# Altium PCB PCB1.PcbDoc (continued)
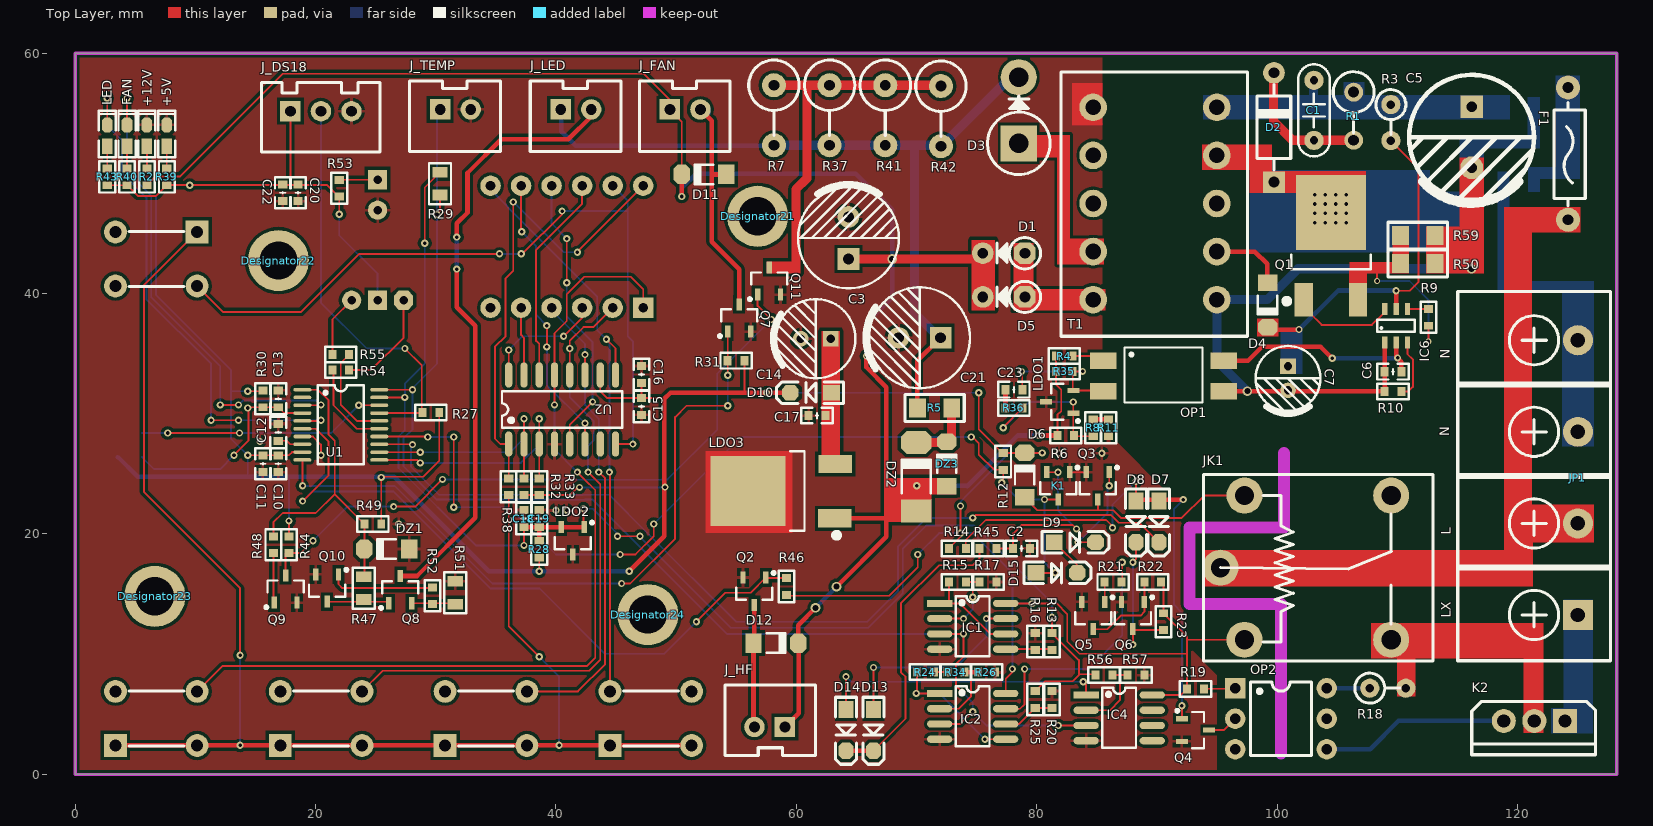
[diagram p0: Top Layer view]
## Nets (pads, with @x,y where several pads share a name; then routed paths per layer and width w, separated by ;. In a path a pad name is that pad's centre, name@x,y a point inside that pad or via, vN(x,y) a via of type N, cw(c..) or ccw(c..) an arc to the next point about the centre after c; other vN are vias at no path point)
2.5_REF: C18.1 C19.1 LDO2.K LDO2.R R13.2 R20.2 R28.1 R29.2 R56.2 U1.19 | length 114.2
  Top Layer w0.152: U1.19 v1(27.421,31.358) ; v1(29.083,44.196) 29.083,48.829 R29.2 ; v1(37.338,19.05) C18.1 ; LDO2.K LDO2.K@40.452,20.574 ; v1(42.291,22.098) 42.291,20.828 LDO2.R@42.418,20.701 ; v1(45.124,19.812) v1(46.99,19.812) ; R20.2 80.707,7.747 82.999,7.747 83.511,8.259 ; R13.2@81.28,11.744 R13.2 v1(81.28,13.081) ; R13.2@81.432,11.582 83.511,9.503 83.511,8.259 ; R56.2 84.826,8.327 83.58,8.327 83.511,8.259
  Top Layer w0.381: C18.1 C19.1 ; R28.1 C19.1 ; LDO2.R@42.343,20.574 40.452,20.574 C19.1
  Bottom Layer w0.152: v1(27.421,31.358) 27.421,28.631 26.899,28.108 26.899,25.486 33.334,19.05 v1(37.338,19.05) ; v1@27.432,31.496 27.432,32.512 29.083,34.163 v1(29.083,44.196) ; v1(42.291,22.098) 43.053,22.098 45.124,20.027 v1(45.124,19.812) ; v1(46.99,19.812) 46.99,19.752 54.55,12.192 65.98,12.192 68.859,15.072 68.859,18.755 70.806,20.701 74.803,20.701 81.28,14.224 v1(81.28,13.081)
220G: B1.DC- C5.2 C6.2 C7.2 IC6.1 OP1.E R10.1 R50.1 R59.1 T1.1 | length 48.1
  Top Layer w0.381: OP1.E R10.1@108.941,31.877 ; IC6.1@108.952,35.912 C6.2 108.952,32.233 109.017,32.233
  Bottom Layer w0.762: v3(97.536,31.877) 94.996,34.417 T1.1 99.187,39.497 101.752,42.062 v3(116.18,42.062)
A: SMG1.11 SW1.C SW1.D U2.8 | length 64
  Top Layer w0.152: SW1.D 12.292,38.481 18.796,38.481 23.622,43.307 v1(35.306,43.307) ; v1(37.114,43.307) 37.211,43.307 40.513,46.609 v1(40.513,46.863) ; U2.8 v1(46.401,27.478)
  Bottom Layer w0.152: v1(35.306,43.307) v1(37.114,43.307) ; v1(40.513,46.863) 45.974,46.863 ; SMG1.11 45.974,47.718 45.974,46.863 ; v1(46.401,27.478) 46.401,36.022 45.974,36.449 45.974,46.863
B: SMG1.7 SW2.C SW2.D U2.9 | length 49.5
  Top Layer w0.152: v1(44.196,36.195) 44.958,35.433 U2.9 ; v1(44.45,25.146) 44.494,25.102 SW2.D
  Bottom Layer w0.152: SMG1.7 34.559,48.624 37.415,45.768 37.419,45.768 43.434,39.753 43.434,36.957 v1(44.196,36.195) 44.45,35.941 v1(44.45,25.146)
C: SMG1.4 SW3.C SW3.D U2.11 | length 40.6
  Top Layer w0.152: SW3.C 41.825,6.9 44.087,9.162 44.087,24.618 43.561,25.144 v1(43.561,25.146) ; U2.11 v1(42.418,34.925)
  Bottom Layer w0.152: SMG1.4 39.639,38.593 42.418,35.814 v1(42.418,34.925) 42.418,30.734 43.561,29.591 v1(43.561,25.146)
D: SMG1.2 SW4.C SW4.D U2.12 | length 55.8
  Top Layer w0.152: SW4.C 25.572,8.611 42.774,8.611 43.681,9.518 43.681,24.137 43.302,24.516 43.3,24.516 42.672,25.144 v1(42.672,25.146) ; U2.12 v1(41.148,35.433) 41.148,36.068 42.291,37.211 43.116,37.211 SMG1.2
  Bottom Layer w0.152: v1(41.148,35.433) 41.148,31.369 43.147,29.37 43.147,27.805 42.672,27.33 v1(42.672,25.146)
D1: R38.1 SMG1.12 U2.1 | length 39.5
  Top Layer w0.152: R38.1 U2.1 35.387,27.478 34.925,27.94 34.925,35.56 35.814,36.449 35.814,41.275 36.449,41.91 v1(36.449,47.625) ; v1(41.783,43.434) 41.719,43.434 SMG1.12
  Bottom Layer w0.152: v1(36.449,47.625) 40.64,43.434 v1(41.783,43.434)
D2: SMG1.9 U2.5 | length 23.7
  Top Layer w0.152: v1(40.894,40.894) v1(40.894,44.577) ; U2.5 41.148,29.083 v1(43.053,30.988)
  Bottom Layer w0.152: SMG1.9 39.639,45.832 v1(40.894,44.577) ; v1(40.894,40.894) 40.894,38.1 43.053,35.941 v1(43.053,30.988)
D3: SMG1.8 U2.6 | length 23.7
  Top Layer w0.152: SMG1.8 37.099,45.197 v1(37.158,45.138) ; v1(39.243,35.56) v1(39.243,37.338) ; U2.6 v1(42.418,29.21)
  Bottom Layer w0.152: v1(37.158,45.138) 38.354,43.942 38.354,38.227 v1(39.243,37.338) ; v1(39.243,35.56) 39.243,32.385 v1(42.418,29.21)
DC12: C3.1 D1.K D5.K D11.K D12.K DZ2.A DZ3.A J_FAN.1 J_HF.1 LDO3.VIN R2.2 R4.2 R6.2 R35.2 | length 164.4
  Top Layer w0.152: R2.2 6.708,49.752 8.731,49.752 17.272,58.293 47.295,58.293 J_FAN.1@50.089,55.499 ; J_FAN.1@49.632,55.143 50.469,54.306 D11.K ; R4.2 R35.2 81.596,32.45 82.042,32.004 82.042,30.226 81.723,29.907 R6.2
  Top Layer w0.381: v1(50.47,48.082) D11.K@50.47,50.013 ; J_HF.1 60.198,5.08 D12.K@60.198,10.922 ; D12.K 60.148,12.396 v3(61.595,13.843) ; LDO3.VIN 67.474,21.297 ; v3(63.348,15.621) 67.488,19.761 67.488,32.207 65.837,33.858 v1(65.837,34.798) ; DZ2.A@70.028,22.174 v1(70.028,24.003) 72.542,24.003 DZ3.A@72.568,23.978 ; v1(80.162,28.194) R6.2 R6.2@81.839,28.194
  Top Layer w0.762: C3.1 67.996,42.878 D1.K@74.828,42.878
  Bottom Layer w0.381: v1(50.47,48.082) 50.47,48.793 51.664,49.987 64.948,49.987 67.97,46.965 67.97,39.7 65.811,37.541 v1@65.811,34.773 ; v3@61.57,13.818 v3(61.595,13.843) v3@63.348,15.596 ; v1(70.028,24.003) 74.193,24.003 74.219,23.978 78.435,28.194 v1(80.162,28.194)
  other v3: 67.97,42.875
DC39: C21.1 D3.K J_LED.1 R5.1 R7.2 R37.2 R41.2 R42.2 | length 64.9
  Top Layer w0.381: R5.1@70.076,30.759 70.076,34.414 C21.1@71.882,36.22
  Bottom Layer w0.381: J_LED.1@40.437,55.27 40.437,53.492 41.641,52.288 R7.2@57.607,52.288
  Bottom Layer w0.762: R7.2 R37.2 R41.2 69.825,52.339 ; C21.1@71.984,36.246 69.825,38.405 69.825,52.339 ; D3.K@77.949,58.141 72.147,52.339 69.825,52.339
DC39_LOAD: Q11.C R7.1 R37.1 R41.1 R42.1 | length 29.3
  Top Layer w0.762: R7.1 60.884,57.339 ; 59.969,42.266 59.969,48.666 60.884,49.581 60.884,57.339 ; R42.1@72.02,57.339 72.009,57.339 67.386,57.339 62.763,57.339 60.884,57.339
DC_IN: C10.1 C11.1 C15.1 C16.1 C20.1 C22.1 D6.K D10.K DATA.1 IC1.8 IC2.8 IC4.8 J_DS18.1 JK1.2 LED2.A R12.2 R14.2 R19.1 R22.2 R23.2 R27.2 R28.2 R30.2 R31.2 R32.2 R33.2 R39.2 R40.2 R43.2 R44.2 R46.2 R49.2 R53.2 U1.9 U2.10 | length 298
  Top Layer w0.152: R43.2 R40.2 5.198,48.133 6.74,48.133 R39.2 7.629,49.022 v1(9.525,49.022) 20.955,49.022 R53.2@21.971,48.006 ; v1(14.351,26.543) C11.1 C10.1 17.78,26.543 18.045,26.808 U1.9 ; v1(14.351,31.877) 15.556,31.877 R30.2 ; R44.2 v1(17.78,21.082) ; 17.907,49.022 J_DS18.1 ; v1(21.971,46.609) R53.2@21.971,48.006 ; R53.2 R53.2@21.971,48.006 ; R49.2 v1(25.465,24.703) ; v1@25.527,24.765 28.956,24.765 30.291,26.1 R27.2 ; R32.2 R33.2@38.49,23.232 ; v1(38.608,16.891) R28.2 ; R33.2 41.139,23.232 41.808,23.901 41.834,23.876 v1(41.961,23.876) ; U2.10 43.688,31.877 44.258,31.307 C15.1 ; C16.1 C15.1 ; 48.957,31.307 C15.1 ; 55.691,31.75 R31.2 ; R46.2 59.244,14.859 67.717,14.859 70.104,17.246 v1(70.104,18.288) ; R14.2 73.66,19.75 v1(73.66,20.066) ; v2(73.66,22.327) 73.66,20.244 v1@73.762,20.142 ; v1(75.184,31.75) 75.184,28.702 77.151,26.735 R12.2 D6.K@78.982,26.735 ; IC2.8 77.426,7.957 77.978,8.509 v1(77.978,8.763) ; IC1.8 v1(79.629,14.224) 81.661,14.224 82.55,13.335 82.55,11.049 83.566,10.033 92.518,10.033 ; D6.K v2(80.466,26.747) ; IC4.8 92.01,6.604 R19.1 92.518,10.033 ; R22.2@90.551,15.813 R23.2 92.518,11.433 92.518,10.033 ; 92.534,11.192 JK1.2
  Top Layer w0.381: v1(46.101,16.891) 49.022,19.812 49.022,31.242 49.53,31.75 55.691,31.75 v1(57.531,31.75) D10.K
  Bottom Layer w0.152: v1(9.525,49.022) 7.62,49.022 6.731,48.133 6.731,39.878 12.954,33.655 12.954,31.877 ; 14.351,24.765 v1(14.351,26.543) 12.954,27.94 12.954,31.877 ; v1(14.351,31.877) 12.954,31.877 ; v1(17.78,21.082) 17.78,24.765 17.78,24.79 ; v1(21.971,46.609) 21.971,44.831 25.161,41.641 LED2.A ; v1(41.961,23.876) 49.047,23.876 v1(49.073,23.901) ; v1@57.785,31.75 v1(75.184,31.75) ; v1(70.104,18.288) 71.882,20.066 v1(73.66,20.066) 74.676,20.066 77.978,16.764 77.978,14.224 ; v2(73.66,22.327) 73.66,22.682 74.434,23.457 77.725,26.747 v2(80.466,26.747) ; v1(77.978,8.763) 77.978,14.224 ; v1(79.629,14.224) 77.978,14.224
  Bottom Layer w0.381: DATA.1 5.189,24.765 14.351,24.765 17.78,24.765 26.543,24.765 34.417,16.891 v1(38.608,16.891) v1(46.101,16.891)
DP: SMG1.3 U2.16 | length 10.1
  Top Layer w0.152: U2.16 v1(36.068,35.306) ; v1(40.64,36.449) 42.179,37.988 SMG1.3
  Bottom Layer w0.152: v1(36.068,35.306) 37.211,36.449 v1(40.64,36.449)
DS18: J_DS18.2 R27.1 U1.17 | length 34.1
  Top Layer w0.152: U1.17 R27.1@28.829,30.058 ; v1(27.432,35.433) 28.829,34.036 R27.1@28.829,30.058 ; R27.1@28.915,30.058 R27.1@28.829,30.058
  Bottom Layer w0.152: J_DS18.2 20.447,39.243 24.257,35.433 v1(27.432,35.433)
E: SMG1.1 SW5.C SW5.D U2.13 | length 75.3
  Top Layer w0.152: SW5.C 12.262,9.017 42.605,9.017 43.274,9.686 43.274,23.655 42.413,24.516 42.411,24.516 41.783,25.144 v1(41.783,25.146) ; v1(39.878,30.734) U2.13 39.878,36.703 40.894,37.719 40.894,39.954 42.342,41.402 46.228,41.402 47.259,40.371 SMG1.1
  Bottom Layer w0.152: v1(39.878,30.734) 39.878,27.051 v1(41.783,25.146)
F: SMG1.10 U2.14 | length 17.4
  Top Layer w0.152: U2.14 38.608,35.814 38.354,36.068 38.354,43.637 42.179,47.462 SMG1.10
FAN_D: FAN.K U1.3 | length 41.2
  Top Layer w0.152: FAN.K v1(4.311,56.254) ; v1(12.065,30.734) v1(13.589,30.734) ; U1.3 20.421,30.708 v1(20.447,30.734)
  Bottom Layer w0.152: v1(4.311,56.254) 4.311,50.17 6.325,48.157 6.325,39.71 12.065,33.969 v1(12.065,30.734) ; v1(13.589,30.734) 13.97,31.115 20.066,31.115 v1(20.447,30.734)
FAN_EN: Q7.G R31.1 U1.10 | length 59.2
  Top Layer w0.152: v1(18.923,24.003) U1.10@18.923,26.162 ; v1(45.466,15.875) 46.169,15.875 49.911,19.617 49.911,29.718 50.865,30.672 v1(54.291,30.672) ; v1(54.291,33.209) R31.1 Q7.G@54.291,36.895
  Bottom Layer w0.152: v1(18.923,24.003) 26.569,24.003 34.697,15.875 v1(45.466,15.875) ; v1(54.291,30.672) v1(54.291,33.209)
G: SMG1.5 U2.15 | length 5.7
  Top Layer w0.152: SMG1.5 37.099,36.561 37.338,36.322 U2.15
GND: +5V.K +12V.K C2.2 C3.2 C10.2 C11.2 C12.2 C13.2 C14.2 C15.2 C16.2 C17.2 C18.2 C19.2 C20.2 C21.2 C22.2 DATA.4 DATA.5 DZ1.A IC1.4 IC2.4 IC4.4 J_DS18.3 J_TEMP.2 K1.K LDO1.A LDO2.A LDO3.GND LED1.K Q2.S Q3.E Q4.E Q5.E Q6.E Q7.S Q9.E Q10.E Q11.E R11.1 R16.1 R17.1 R25.1 R26.1 R51.1 R57.1 T1.6 U1.7 U2.4 | length 4.1
  Top Layer w0.152: U1.7 19.771,28.108 20.447,27.432 v1(20.447,26.543) ; K1.K Q3.E
  Top Layer w0.381: LDO1.A@80.772,30.979 LDO1.A
  other v1: 26.924,20.828 40.005,21.971 40.894,21.971 81.874,26.711 85.43,26.711 15.367,27.686
HF_EN: Q2.G R46.1 U1.6 | length 57.2
  Top Layer w0.152: U1.6 20.01,28.758 21.082,27.686 21.082,24.892 v1(18.923,22.733) ; v1(51.689,12.7) 54.102,15.113 56.204,15.113 Q2.G ; Q2.G@57.596,16.321 R46.1
  Bottom Layer w0.152: v1(18.923,22.733) 19.728,23.538 26.459,23.538 34.528,15.469 38.633,15.469 44.069,10.033 49.022,10.033 v1(51.689,12.7)
L: F1.1 JK1.3 JP1.2
LED_D: LED.K U1.5 | length 43.3
  Top Layer w0.152: LED.K v1(2.66,56.254) ; v1(11.303,29.464) v1(13.589,29.464) ; U1.5 20.391,29.408 v1(20.447,29.464)
  Bottom Layer w0.152: v1(2.66,56.254) 2.66,53.982 3.905,52.737 3.905,50.002 5.918,47.989 5.918,39.541 11.303,34.157 v1(11.303,29.464) ; v1(13.589,29.464) v1(20.447,29.464)
LED_EN: DZ1.K R47.1 R48.1 R49.1 U1.1 | length 25.6
  Top Layer w0.152: R48.1 16.485,20.955 17.272,21.742 20.015,21.742 21.59,23.317 21.59,27.753 21.082,28.261 21.082,31.115 20.193,32.004 18.902,32.004 U1.1 ; 21.59,23.303 R49.1 24.065,18.545 24.068,18.542 R47.1@24.068,16.509
LX: JP1.1 K2.T1
M_SD: D15.A K1.A R12.1 U1.14 | length 80.1
  Top Layer w0.152: U1.14 v1@29.296,28.108 ; v1(31.496,22.225) v1(31.496,28.067) ; v1(45.339,18.288) 46.609,18.288 48.133,19.812 v1(48.133,20.828) ; v1(74.549,28.067) 74.676,28.067 75.184,27.559 75.184,26.607 76.456,25.335 R12.1 77.216,24.384 v1(77.089,24.257) ; D15.A v1(81.534,16.764) ; v1(80.654,22.869) K1.A
  Bottom Layer w0.152: v1(29.337,28.067) v1(31.496,28.067) ; v1(31.496,22.225) 36.068,22.225 40.005,18.288 v1(45.339,18.288) ; v1(48.133,20.828) 55.372,28.067 v1(74.549,28.067) ; v1(77.089,24.257) 78.477,22.869 v1(80.654,22.869) ; v1@80.645,22.86 80.645,17.653 v1(81.534,16.764)
MAX1: D13.A IC1.7 | length 17.1
  Top Layer w0.152: D13.A v1(66.421,8.89) ; v1(75.819,12.954) IC1.7
  Bottom Layer w0.152: v1(66.421,8.89) 73.279,8.89 75.819,11.43 v1(75.819,12.954)
MAX2: D14.A IC4.1 | length 23.8
  Top Layer w0.152: D14.A v1(64.135,8.128) ; v1(83.871,7.696) 84.118,7.449 IC4.1
  Bottom Layer w0.152: v1(64.135,8.128) 64.567,7.696 v1(83.871,7.696)
MAX_TEMP_SW: C2.1 K1.G R45.2 | length 14.7
  Top Layer w0.152: R45.2 C2.1 78.04,20.026 78.765,20.752 82.982,20.752 v1(83.312,20.422) ; K1.G v1(81.779,25.137)
  Bottom Layer w0.152: v1@81.788,25.171 81.788,21.946 v1(83.312,20.422)
N: B1.AC2 JP1.3 JP1.4
Net+5V_A: +5V.A R39.1 | length 1.8
  Top Layer w0.152: R39.1 +5V.A@7.62,52.247
Net+12V_A: +12V.A R2.1 | length 1.8
  Top Layer w0.152: R2.1 +12V.A@5.969,52.247
NetB1_AC1: B1.AC1 F1.2
NetB1_DC+: B1.DC+ C1.1 C5.1 R1.1 R3.1 T1.5 | length 2.3
  Bottom Layer w0.762: 103.048,55.474 C1.1@103.048,57.796
NetC1_2: C1.2 D2.K R1.2 | length 11.4
  Top Layer w0.762: D2.K@99.72,58.445 99.72,54.331 101.289,52.762 R1.2
NetC6_1: C6.1 IC6.2 OP1.C | length 17.7
  Top Layer w0.381: OP1.C 97.587,34.417 98.73,35.56 103.632,35.56 v1@104.597,34.595 ; IC6.2 109.906,34.773 v1(110.033,34.646) 110.352,34.327 C6.1@110.352,33.757
  Bottom Layer w0.381: v1(104.597,34.62) v1@110.033,34.62
NetC7_1: C7.1 D4.K IC6.5 R3.2 | length 28.3
  Top Layer w0.152: R3.2 111.76,50.443 111.76,40.945 111.049,40.234 v1(109.906,40.234) v1@109.88,40.234
  Top Layer w0.381: D4.K@99.797,37.008 v1(101.829,37.008) ; IC6.5@109.906,38.837 v1(109.906,40.234)
  Bottom Layer w0.381: v1@101.625,36.855 v1(101.829,37.008) ; v1@101.651,36.83 105.08,40.259 v1@109.906,40.259
NetC14_1: C14.1 C17.1 D10.A LDO3.VOUT
NetC23_1: C23.1 LDO1.K OP1.K R35.1 | length 11.3
  Top Layer w0.152: C23.1 v1@78.805,33.463 ; LDO1.K@82.996,31.991 R35.1 v1(83.82,33.528) ; LDO1.K OP1.K@85.49,31.938
  Bottom Layer w0.152: v1(78.74,33.528) v1(83.82,33.528)
NetC23_2: C23.2 R36.1 | length 1.6
  Top Layer w0.381: R36.1 C23.2@77.405,32.066
NetD1_A: D1.A D5.A T1.10
NetD2_A: D2.A Q1.D T1.4
  other v2: 103.149,45.898 104.021,45.898 104.894,45.898 105.766,45.898 103.149,46.677 104.021,46.677 104.894,46.677 105.766,46.677 103.149,47.456 104.021,47.456 104.894,47.456 105.766,47.456 103.149,48.235 104.021,48.235 104.894,48.235 105.766,48.235
NetD3_A: D3.A T1.9
NetD4_A: D4.A T1.2 | length 6.2
  Top Layer w0.381: T1.2 98.159,43.497 99.187,42.469 D4.A@99.187,40.843
NetD6_A: D6.A JK1.1 Q3.C | length 20.7
  Top Layer w0.152: D6.A 80.06,21.971 86.36,21.971 86.995,21.336 92.075,21.336 93.931,23.192 JK1.1 ; 85.09,21.971 Q3.C
NetD7_A: D7.A D8.A Q4.B R14.1 | length 43
  Top Layer w0.152: R14.1 74.106,19.496 75.768,21.158 85.776,21.158 86.309,20.625 v1(86.309,20.523) ; D8.A v1(88.265,24.384) ; Q4.B v1(92.084,5.706)
  Top Layer w0.381: D8.A 88.384,22.86 v1(92.202,22.86)
  Bottom Layer w0.152: v1(86.309,20.523) 86.309,22.428 v1(88.265,24.384) ; v1(92.084,5.706) 92.084,13.453 91.44,14.097 91.44,22.098 v1(92.202,22.86)
NetD9_A: D9.A D15.K | length 3.1
  Top Layer w0.152: D9.A D15.K@83.693,17.081
NetD9_K: D9.K Q3.B | length 8.4
  Top Layer w0.152: v1(83.439,19.304) D9.K ; v1(86.04,24.018) Q3.B
  Bottom Layer w0.152: v1(83.439,19.304) 85.903,21.768 85.903,23.881 v1(86.04,24.018)
NetD11_A: D11.A J_FAN.2 Q7.D | length 19.1
  Top Layer w0.381: J_FAN.2 52.959,54.381 52.959,49.911 ; D11.A 52.959,49.911 ; Q7.D@55.245,39.116 55.245,42.037 52.959,44.323 52.959,49.911
  Bottom Layer w0.381: J_FAN.2@52.705,54.991 J_FAN.2@52.705,55.372
NetD12_A: D12.A J_HF.2 Q2.D | length 10.5
  Top Layer w0.381: J_HF.2@56.438,3.887 D12.A ; D12.A@56.515,10.668 Q2.D
NetD13_K: D13.K D14.K R45.1 | length 24.7
  Top Layer w0.152: D13.K 69.088,4.635 69.088,8.128 68.707,8.509 68.707,14.224 71.882,17.399 74.676,17.399 75.246,17.969 R45.1
  Top Layer w0.381: D14.K D13.K
NetDZ2_K: DZ2.K DZ3.K R5.2 | length 5.3
  Top Layer w0.762: DZ2.K DZ3.K@72.522,27.615 ; DZ3.K@72.926,27.687 R5.2
NetFAN_A: FAN.A R40.1 | length 1.8
  Top Layer w0.152: R40.1 FAN.A@4.318,52.247
NetIC1_1: IC1.1 IC1.6 R15.2 | length 7.5
  Top Layer w0.152: R15.2 72.706,14.289 72.771,14.224 73.609,14.224 76.149,11.684 IC1.6
NetIC1_2: IC1.2 R15.1 R17.2 | length 6.5
  Top Layer w0.152: IC1.2 v1(73.914,12.954) ; R15.1 74.676,16.002 ; v1(74.676,14.732) 74.676,16.002 ; R17.2 74.676,16.002
  Bottom Layer w0.152: v1(73.914,12.954) 74.676,13.716 v1(74.676,14.732)
NetIC1_5: IC1.5 R13.1 R16.2 | length 3.8
  Top Layer w0.152: IC1.5 80.518,10.414 R13.1@81.215,10.414
NetIC2_1: IC2.1 IC2.5 R24.2 | length 12.8
  Top Layer w0.152: v1@70.039,6.666 v1@70.039,6.731 ; R24.2 v1@70.039,6.731 ; IC2.1 v1@70.039,6.731 ; v1(75.692,2.921) IC2.5
  Bottom Layer w0.152: v1(69.977,6.731) 71.882,6.731 v1(75.692,2.921)
NetIC2_2: IC2.2 R26.2 R34.1 | length 6.2
  Top Layer w0.152: IC2.2 73.533,5.461 74.549,6.477 74.549,8.509
  Top Layer w0.381: R34.1 74.549,8.509 R26.2
NetIC2_6: IC2.6 R20.1 R25.2 | length 4.4
  Top Layer w0.152: IC2.6 78.551,4.191 R20.1 R25.2
NetIC4_2: IC4.2 R56.1 R57.2 | length 6.5
  Top Layer w0.152: IC4.2 86.106,5.334 86.931,6.159 86.931,8.255 ; R56.1 86.931,8.255 ; R57.2 86.931,8.255
NetIC6_3: IC6.3 R10.2 | length 5
  Top Layer w0.152: R10.2@110.287,31.852 R10.2 110.922,31.852 111.303,32.233 111.303,34.519 110.856,34.966 IC6.3
NetIC6_4: IC6.4 R9.1 | length 1.7
  Top Layer w0.152: IC6.4@110.882,38.724 R9.1
NetIC6_6: IC6.6 Q1.G | length 7.3
  Top Layer w0.152: Q1.G@102.743,38.354 103.708,37.389 107.899,37.389 108.956,38.445 IC6.6
NetJ_LED_2: J_LED.2 Q8.C | length 50.8
  Top Layer w0.381: Q8.C 28.439,16.501 33.274,21.336 33.274,37.338 31.75,38.862 v1(31.75,42.037) ; v1(31.75,44.704) 31.75,45.847 32.639,46.736 32.639,50.038 35.433,52.832 41.021,52.832 42.926,54.737 J_LED.2@42.926,55.372
  Bottom Layer w0.381: v1(31.75,42.037) v1(31.75,44.704)
NetJK1_5: JK1.5 K2.T2 R18.2
NetK2_G: K2.G OP2.E | length 15.7
  Bottom Layer w0.381: OP2.E 107.752,2.088 110.109,4.445 K2.G
NetLDO1_R: LDO1.R R6.1 R8.2 R36.2 | length 13.5
  Top Layer w0.152: v1(77.216,28.829) 77.216,28.891 R36.2 ; v1(83.049,30.979) LDO1.R 83.049,28.247 83.167,28.129 R8.2
  Bottom Layer w0.152: v1(77.216,28.829) 79.366,30.979 v1(83.049,30.979)
NetLED1_A: LED1.A R53.1 | length 3.2
  Top Layer w0.152: R53.1 LED1.A@25.147,49.468
NetLED2_G: LED2.G R55.2 | length 5.2
  Top Layer w0.152: R55.2 21.398,37.845 LED2.G
NetLED2_R: LED2.R R54.2 | length 8.7
  Top Layer w0.152: R54.2 24.638,33.655 27.32,36.337 LED2.R
NetLED_A: LED.A R43.1 | length 1.8
  Top Layer w0.152: R43.1@2.66,50.42 LED.A
NetOP1_A: OP1.A R4.1 | length 2.2
  Top Layer w0.152: R4.1 OP1.A@85.17,34.798
NetOP2_A: OP2.A R19.2 | length 2.5
  Top Layer w0.152: R19.2 OP2.A@96.464,7.112
NetOP2_C: OP2.C R18.1 | length 3.6
  Bottom Layer w0.381: OP2.C R18.1
NetOP2_K: OP2.K Q4.C | length 2.6
  Top Layer w0.152: Q4.C 95.575,3.683 OP2.K
NetQ1_S: Q1.S R9.2 R50.2 R59.2 | length 10.8
  Top Layer w0.152: v4(108.331,41.046) 108.331,42.189 ; v4(112.598,36.017) R9.2
  Bottom Layer w0.152: v4(108.331,41.046) 111.023,41.046 112.598,39.472 v4(112.598,36.017)
NetQ5_B: Q5.B R21.1 | length 1.7
  Top Layer w0.152: Q5.B@85.66,14.343 R21.1
NetQ5_C: Q5.C Q6.B R22.1 | length 7.3
  Top Layer w0.152: Q5.C 85.861,12.074 86.995,13.208 88.646,13.208 88.961,13.523 Q6.B R22.1
NetQ8_B: Q8.B Q10.C R47.2 | length 5.2
  Top Layer w0.152: Q10.C 25.974,14.36 Q8.B
NetQ8_E: Q8.E R51.2 R52.2 | length 3.7
  Top Layer w0.152: Q8.E 31.553,14.233 R51.2
NetQ9_B: Q9.B R48.2 | length 4.2
  Top Layer w0.152: Q9.B@16.485,14.249 R48.2
NetQ9_C: Q9.C Q11.B R44.1 | length 55.2
  Top Layer w0.152: Q9.C R44.1@17.501,18.339 ; R44.1@17.882,18.415 18.771,18.415 v1(19.787,19.431) ; v1(26.492,22.276) 28.296,22.276 v1(30.556,24.536) ; Q11.B 56.784,38.974 v1(57.912,37.846)
  Bottom Layer w0.152: v1(19.787,19.431) 22.631,22.276 v1(26.492,22.276) ; v1(30.556,24.536) 41.501,24.536 41.522,24.516 48.796,24.516 48.812,24.532 49.271,24.532 53.416,28.677 53.416,33.35 v1(57.912,37.846)
NetQ10_B: Q10.B R52.1 | length 8.8
  Top Layer w0.152: Q10.B 21.905,15.814 22.225,15.494 29.653,15.494 R52.1
NetR8_1: R8.1 R11.2 | length 1.3
  Top Layer w0.381: R8.1 R11.2
NetR24_1: R24.1 R34.2 | length 1.1
  Top Layer w0.152: R24.1 R34.2@72.517,8.509
NetR38_2: R38.2 SW1.A SW1.B SW2.A SW2.B SW3.A SW3.B SW4.A SW4.B SW5.A SW5.B | length 118.4
  Top Layer w0.152: SW1.A 5.715,40.697 5.715,23.495 13.716,15.494 v1(13.716,9.906) ; R38.2 36.068,12.319 v1(38.608,9.779)
  Top Layer w0.381: SW5.A SW5.B SW4.A SW4.B SW3.A SW3.B SW2.A SW2.B
  Bottom Layer w0.152: v1(13.716,2.413) v1(13.716,9.906) ; v1(38.608,9.779) 40.259,8.128 v1(40.259,2.413)
NRST: C13.1 DATA.2 R30.1 U1.4 | length 17.7
  Top Layer w0.152: v1(13.208,26.543) 14.413,27.748 14.413,30.542 R30.1 C13.1 17.37,30.063 18.898,30.063 U1.4
  Bottom Layer w0.152: DATA.2 6.554,25.4 12.065,25.4 v1(13.208,26.543)
  other v1: 14.351,30.48
SW_D: D8.K Q6.C R23.1 | length 12.5
  Top Layer w0.152: v1(88.011,10.795) Q6.C 88.085,12 R23.1 ; v1(88.011,17.653) 88.265,17.907 D8.K
  Bottom Layer w0.152: v1(88.011,10.795) v1(88.011,17.653)
SW_EN: D7.K U1.13 | length 79
  Top Layer w0.152: U1.13 28.041,27.458 v1(28.067,27.432) ; v1(74.676,21.336) 74.905,21.565 86.192,21.565 86.827,20.93 88.552,20.93 D7.K
  Bottom Layer w0.152: v1(28.067,27.432) 27.94,27.305 27.94,25.594 30.267,23.266 41.679,23.266 41.7,23.246 42.222,23.246 42.242,23.266 44.427,23.266 47.62,20.073 47.62,20.071 54.991,12.7 65.913,12.7 68.453,15.24 68.453,18.923 70.866,21.336 v1(74.676,21.336)
SW_LM: IC2.7 R21.2 | length 21.7
  Top Layer w0.152: IC2.7 78.613,5.461 78.994,5.842 v1(78.994,8.763) ; R21.2 87.122,16.064 v1(87.122,17.653)
  Bottom Layer w0.152: v1(78.994,8.763) 84.328,8.763 87.122,11.557 v1(87.122,17.653)
SWIM: DATA.3 U1.18 | length 20.7
  Top Layer w0.152: v1(7.698,28.399) v1(13.667,28.399) ; v1(23.596,30.708) U1.18
  Bottom Layer w0.152: DATA.3 v1(7.698,28.399) ; v1(13.667,28.399) 21.287,28.399 v1(23.596,30.708)
TEMP: IC1.3 IC2.3 IC4.3 J_TEMP.1 R29.1 U1.20 | length 110.3
  Top Layer w0.152: U1.20@25.302,32.004 v1(28.067,32.004) ; v1(30.099,46.609) 30.353,46.863 R29.1 ; IC2.3 73.66,4.191 v1(74.676,5.207) ; IC1.3 v1(73.914,11.684) 73.914,9.779 73.279,9.144 73.279,7.366 v1(73.787,6.858) ; v1(81.788,4.064) IC4.3
  Bottom Layer w0.152: v1@27.94,32.004 30.104,34.168 30.104,55.059 J_TEMP.1 ; v1(28.067,32.004) 28.067,28.702 27.305,27.94 27.305,25.654 30.099,22.86 41.511,22.86 41.531,22.839 42.39,22.839 42.411,22.86 43.053,22.86 46.36,19.553 46.36,19.551 54.227,11.684 v1(73.914,11.684) ; v1(73.787,6.858) 74.676,5.969 v1(74.676,5.207) 75.819,4.064 v1(81.788,4.064)
TEMP_PLAY: R54.1 U1.15 | length 7.6
  Top Layer w0.152: R54.1 21.488,33.565 21.488,30.709 23.439,28.758 U1.15
TEMP_STOP: R55.1 U1.16 | length 8.2
  Top Layer w0.152: R55.1 22.098,34.225 22.098,30.734 23.424,29.408 U1.16
TSCL: R32.1 U1.12 U2.2 | length 19.1
  Top Layer w0.152: U1.12 25.309,26.797 v1(28.702,26.797) ; R32.1 U2.2 v1(37.338,29.591)
  Bottom Layer w0.152: v1(28.702,26.797) 36.195,26.797 37.338,27.94 v1(37.338,29.591)
TSDA: R33.1 U1.11 U2.3 | length 21.3
  Top Layer w0.152: U1.11@25.368,26.228 U1.11 28.452,26.158 v1(28.702,25.908) ; R33.1 U2.3 v1(38.608,29.591)
  Bottom Layer w0.152: v1(28.702,25.908) 37.084,25.908 38.608,27.432 v1(38.608,29.591)
VCAP: C12.1 U1.8 | length 2.1
  Top Layer w0.152: C12.1 17.591,27.748 17.881,27.458 U1.8
pads on no net: Designator21.1 Designator22.1 Designator23.1 Designator24.1 IC4.5 IC4.6 IC4.7 JK1.4 OP2.3 OP2.5 SMG1.6 T1.3 T1.7 T1.8 U1.2 U2.7

## Polygon pours and split planes (outlines as drawn)
GND on Top Layer "Top Layer-No Net" (solid, remove dead copper, pour order 2): 85.471,60.071 85.471,27.686 86.614,27.686 91.694,22.606 92.202,22.098 92.202,13.335 92.202,11.049 94.615,8.636 94.996,8.255 94.996,0 0,0 0,59.944
GND on Bottom Layer "Top Layer-No Net" (solid, remove dead copper, pour order 4): 85.471,60.071 85.471,28.956 92.075,22.352 92.075,20.32 92.075,11.176 94.996,8.255 94.996,7.874 94.996,0 0,0 0,59.944

## Keep-outs
Keep-Out Layer:
  lines w0.254: 0,60 0,0 128.27,0 128.27,60 0.015,60
  lines w1: 100.345,1.729 100.345,14.175 92.725,14.175 92.725,20.525 100.599,20.525 100.599,26.748

## Other copper
Top Layer:
  rectangle net DC12: 67.437,23.266 73.304,24.663
  rectangle net DC12: 67.437,20.98 71.247,23.495
  rectangle net GND: 52.451,20.091 59.665,26.899
  rectangle net NetD1_A: 78.054,38.608 79.756,44.196
  rectangle net L: 118.948,45.085 125.247,47.219
  rectangle net L: 118.872,22.174 121.209,47.219
  rectangle net L: 120.498,19.304 126.39,22.454
  rectangle net NetC7_1: 98.349,36.424 100.127,37.948
  rectangle net NetD3_A: 81.712,42.418 85.598,44.577
  rectangle net NetJK1_5: 120.523,3.429 122.174,12.573
  rectangle net NetJK1_5: 107.823,9.652 122.047,12.573
  rectangle net NetJK1_5: 109.982,6.477 111.506,10.541
  rectangle net L: 118.872,15.621 121.285,22.454
  rectangle net L: 93.853,15.621 120.396,18.669
  rectangle net NetC14_1: 62.103,25.603 63.627,36.906
  rectangle net NetD1_A: 78.867,38.608 85.725,40.386
  rectangle net 220G: 112.395,41.656 115.722,45.593
  rectangle net 220G: 115.189,41.656 117.221,51.308
  rectangle net NetQ1_S: 106.02,41.656 110.998,42.621
  rectangle net NetQ1_S: 109.601,41.783 110.998,45.593
  rectangle net GND: 82.931,53.975 85.471,57.531
  rectangle net NetD2_A: 93.777,50.267 99.568,52.426
  rectangle net NetD2_A: 97.714,48.362 107.417,50.19
  rectangle net NetD2_A: 97.714,48.362 99.568,52.375
  rectangle net NetQ1_S: 105.994,40.716 107.493,41.986
  rectangle net DC39_LOAD: 57.506,41.681 60.35,42.672
  rectangle net NetD3_A: 81.712,42.494 82.779,53.213
  rectangle net NetD3_A: 78.74,51.308 82.423,53.213
  rectangle net DC12: 74.574,38.608 76.53,44.475
Bottom Layer:
  rectangle net NetB1_DC+: 105.512,55.575 107.264,57.607
  rectangle net NetC7_1: 100.279,33.299 102.108,37.186
  rectangle net N: 118.339,40.284 124.638,41.046
  rectangle net N: 123.723,27.28 126.365,41.046
  rectangle net LX: 122.809,3.404 125.019,5.512
  rectangle net LX: 123.825,3.404 126.289,14.529
  rectangle net GND: 82.931,53.975 85.471,57.15
  rectangle net N: 118.339,40.284 119.355,50.165
  rectangle net NetB1_AC1: 120.879,49.53 125.222,50.546
  rectangle net NetB1_AC1: 120.879,48.463 121.895,50.546
  rectangle net NetB1_AC1: 123.19,50.038 125.222,58.166
  rectangle net 220G: 120.853,52.07 121.869,56.363
  rectangle net 220G: 115.189,52.07 121.869,53.213
  rectangle net 220G: 115.189,49.276 117.221,53.086
  rectangle net NetB1_DC+: 93.853,54.483 119.38,56.515
  rectangle net NetD2_A: 97.714,43.409 112.725,50.267
  rectangle net NetD2_A: 112.7,43.409 116.281,48.489

## Silkscreen, mask and mechanical layers (free items; w line width, h text height)
Top Overlay:
  text "N" at 114.376,34.595 h0.8 r90
  text "N" at 114.351,28.118 h0.8 r90
  text "L" at 114.452,19.939 h0.8 r90
  text "LX" at 114.452,13.03 h0.8 r90
Bottom Overlay:
  lines w0.254: 16.017,12.192 34.686,12.192 34.686,19.128 16.017,19.128 16.017,12.192
  text "YZW-1000I-S8-EE22" at 33.797,16.842 h2
  text "Rev.1.0" at 33.543,15.572 h1.2
  text "NO. 20231228" at 33.67,13.032 h2
Bottom Solder:
  rectangle: 100.889,43.409 112.725,50.267
  rectangle: 112.7,43.409 116.281,48.489

## Text inside footprints (layer, text, board x,y; h text height)
B1: Bottom Overlay "+" at 119.355,54.585 h2.54 r180; Bottom Overlay "-" at 121.768,54.585 h3.05 r180; Bottom Overlay "~" at 119.355,51.791 h2.54 r180; Bottom Overlay "~" at 122.022,51.791 h2.54 r180